# Altium PCB 龙邱MIC转接板.PcbDoc
Units mil, origin at the board's own origin, x right, y up, seen from the top; angles counter-clockwise.
Board outline 7905.03 x 785.03 mil, 2 copper layers (Top Layer, Bottom Layer); 3 components, 4 nets, 24 pads, 22 vias.
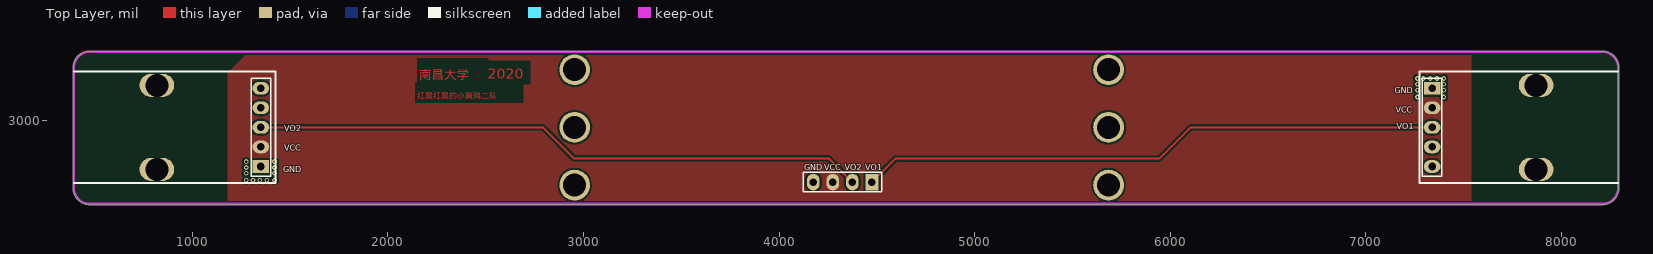
[diagram p0: Top Layer view]
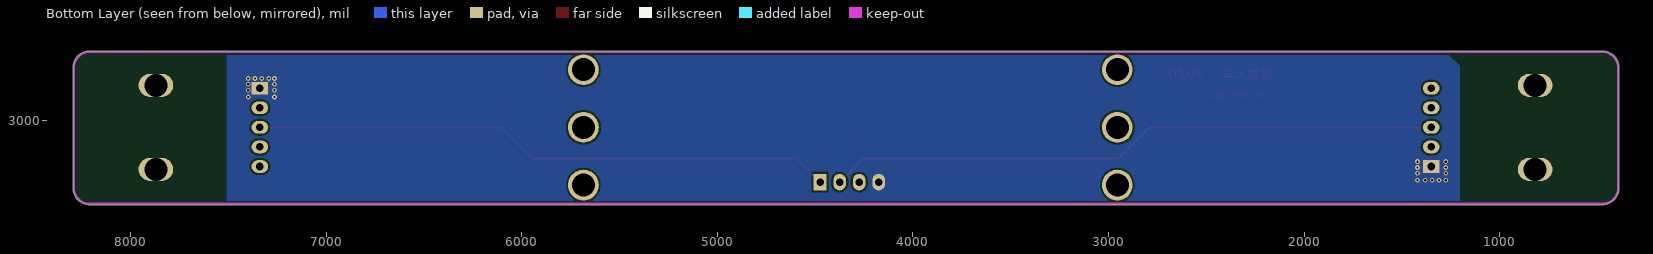
[diagram p1: Bottom Layer view, seen from below]
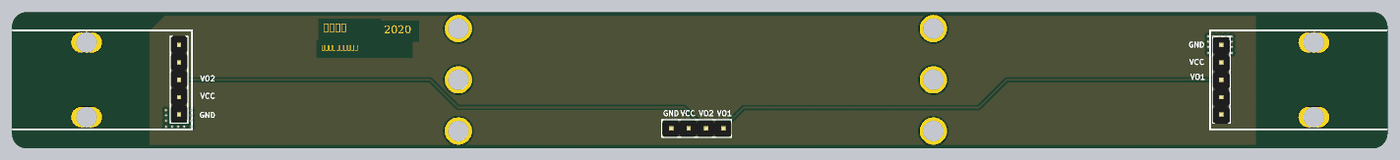
[diagram p2: 3D render of the assembled board from above, using the file's embedded part models]

## Layer stack, top to bottom
Top Solder: solder mask 0.4, Solder Resist, Dk 3.5
Top Layer: signal copper 1.4
Dielectric 1: dielectric 12.6, FR-4, Dk 4.8
Bottom Layer: signal copper 1.4
Bottom Solder: solder mask 0.4, Solder Resist, Dk 3.5

## Board outline
475,2569.99 ccw(c475,2575) 477.5,2570.65 ccw(c480,2575) 480,2569.99 8215,2569.99 ccw(c8215,2575) 8216.58,2570.24 ccw(c8210,2655) 8295.01,2654.97 ccw(c8290,2655) 8295.02,2655 8295.02,3270 ccw(c8210,3270) 8210,3355.01 475,3355.01 475,3355.02 cw(c475,3350) 475.03,3355.01 475,3355.02 ccw(c475,3270) 389.99,3270 389.99,2655 389.98,2655 cw(c395,2655) 389.99,2655.03 389.98,2655 ccw(c475,2655)

## Design rules (kind name [scope] priority, off if disabled: settings)
Clearance [All] p1: gap=10
PlaneConnect [All] p1: planeconnectstyle=Direct reliefexpansion=20 reliefentries=4 reliefconductorwidth=10 reliefairgap=10
PolygonConnect [All] p1: connectstyle=Direct reliefconductorwidth=10 reliefentries=4 polygonreliefangle="90 Angle" airgapwidth=10
RoutingVias [All] p1: holewidth=28 width=50 viastyle="Through Hole" minholewidth=28 minwidth=50 maxholewidth=28 maxwidth=50
SolderMaskExpansion [All] p1: expansion=4
UnpouredPolygon [All] p1: allowunpoured=FALSE
Width [All] p1: maxlimit=10 minlimit=10 preferedwidth=10
28 further rules are at their usual default settings.

## Components (designator, comment, footprint, x,y, rotation, side; value= is the part's Value field where it differs from the comment)
J1 "Header1x5" HEADER1X5 1350,2965 r90 top
J2 "Header1x5" HEADER1X5 7340,2965 r270 top
J? "Header1x4" HEADER1X4 4325,2680 r180 top

## Footprints (in the part's own frame and the unit in brackets; to place one, negate y for a bottom-side part, rotate by r counter-clockwise, add the part's x,y. Pads: shape width x height; smd on the part's side, far side on the other; paste and mask are expansions set on the pad)
HEADER1X4 [mil]
  rect 65x85 hole 39: 1(-150,-5)
  oval 65x85 hole 39: 2(-50,-5) 3(50,-5) 4(150,-5)
  silkscreen extent -200,-55 200,45, body extent -200,-53 200,45, height 323
HEADER1X5 [mil]
  rect 65x85 hole 39: 1(-200,0)
  oval 65x85 hole 39: 2(-100,0) 3(0,0) 4(100,0) 5(200,0)
  silkscreen extent -250,-50 250,50, body extent -246,-49 254,49, height 323

## Free pads (board coordinates)
  oval 177.17x118.11 hole 118.11: 0(818.5,2750) 0(818.5,3180) 0(7871.5,2750) 0(7871.5,3180)
  round 157.48 hole 118.11: 0(2955,2670) 0(2955,2965) 0(2955,3260) 0(5685,2670) 0(5685,2965) 0(5685,3260)

## Via types
v1: diameter 24, hole 12, Top Layer to Bottom Layer, tented both sides, 22 vias

## Nets (pads, with @x,y where several pads share a name; then routed paths per layer and width w, separated by ;. In a path a pad name is that pad's centre, name@x,y a point inside that pad or via, vN(x,y) a via of type N, cw(c..) or ccw(c..) an arc to the next point about the centre after c; other vN are vias at no path point)
3V3: J1.2 J2.2 J?.3
GND: J1.1 J2.1 J?.4
  other v1: 1275,2695 1310,2695 1345,2695 1380,2695 1420,2695 1275,2730 1420,2730 1275,2760 1420,2760 1275,2790 1420,2790 7265,3120 7400,3120 7265,3155 7400,3155 7265,3185 7400,3185 7265,3215 7295,3215 7330,3215 7365,3215 7400,3215
MIC1: J2.3 J?.1 | length 2981
  Top Layer w10: J?.1 4595,2805 5945,2805 6105,2965 J2.3
MIC2: J1.3 J?.2 | length 3141
  Top Layer w10: J1.3 2792.57,2965 2951.28,2806.28 4253.72,2806.28 J?.2
pads on no net: J1.4 J1.5 J2.4 J2.5

## Polygon pours and split planes (outlines as drawn)
GND on Bottom Layer "GND" (solid, remove dead copper, pour order 6): 1455,3530 1205,3280 1205,3175 1205,2550 1260,2495 7510,2495 7510,3365 7355,3520 7335,3540 3095,3540
3V3 on Top Layer "3V3" (solid, remove dead copper, pour order 8): 1450,3535 1450,3515 1195,3260 1180,3245 1180,2560 1190,2560 1255,2495 1260,2500 7540,2500 7540,3370 7350,3560

## Keep-outs
Keep-Out Layer:
  lines w10: 475,2575 cw(c475,2655) 395,2655 395,2920 395,3270 cw(c475,3270) 475,3350 820,3350 1220,3350 2045,3350 6140,3350 6980,3350 7565,3350 7810,3350 8080,3350 8210,3350 cw(c8210,3270) 8290,3270 8290,2705 8290,2655 cw(c8210,2655) 8210,2575 8145,2575 ; 480,2575 8160,2575 ; 7470,2575 7870,2575 8215,2575

## Other copper
Top Layer:
  text "南昌大学" at 2160,3195 h80
  text "2020" at 2510,3195 h88
  text "红黑红黑的小黄鸡二队" at 2150,3100 h50

## Silkscreen, mask and mechanical layers (free items; w line width, h text height)
Top Overlay:
  lines w10: 395,2680 545,2680 ; 395,3250 505,3250 1425,3250 1425,2680 540,2680 ; 8290,2680 8165,2680 7275,2680 7275,3250 8155,3250 8285,3250 8290,3250
  text "GND" at 7150,3140 h30
  text "VCC" at 7155,3040 h30
  text "VO1" at 7160,2955 h30
  text "VO2" at 1470,2945 h30
  text "VCC" at 1470,2845 h30
  text "GND" at 4130,2745 h30
  text "VCC" at 4230,2745 h30
  text "VO2" at 4335,2745 h30
  text "VO1" at 4440,2745 h30
  text "GND" at 1465,2735 h30
Top Solder:
  text "南昌大学" at 2160,3195 h80
  text "2020" at 2510,3195 h88
  text "红黑红黑的小黄鸡二队" at 2150,3100 h50